# Altium PCB RFSOC_SAWG.PcbDoc (part 9 of 15)
Units mm, origin at the board's own origin, x right, y up, seen from the top; angles counter-clockwise.
Board outline 221.25 x 100 mm, 8 copper layers (Top Layer, Mid-Layer 2, Mid-Layer 3, Mid-Layer 4, Mid-Layer 5, Mid-Layer 6, Mid-Layer 7, Bottom Layer), stack 1.455 mm thick; 1107 components, 833 nets, 3980 pads, 2483 vias.
Unrouted connection lines stored in the file: 1.
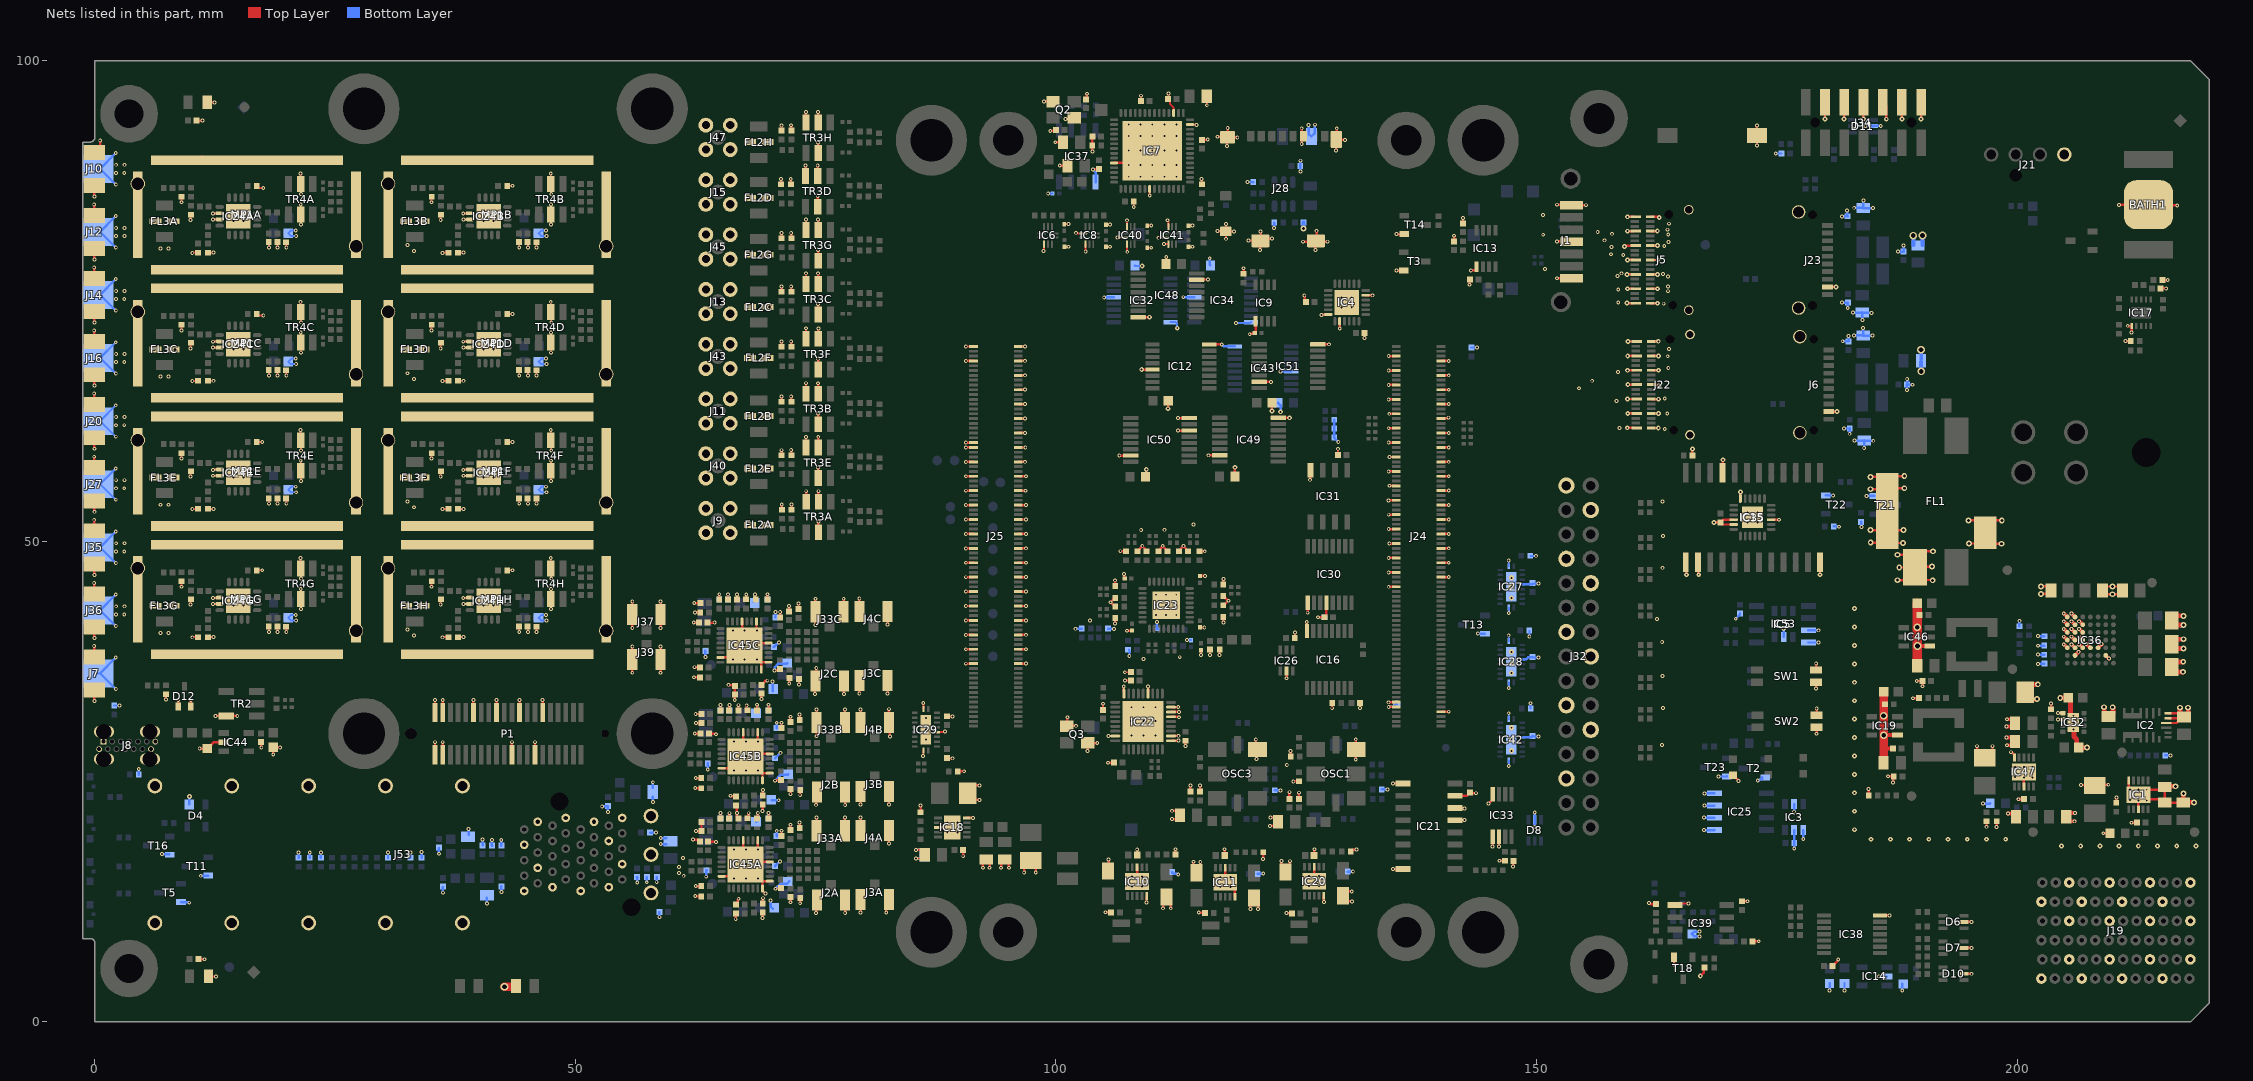
[diagram p15: the nets of this part, all layers, seen from the top]

## Via types
v1: diameter 0.4, hole 0.2, Top Layer to Bottom Layer, tented both sides, 1996 vias
v2: diameter 0.55, hole 0.2, Top Layer to Bottom Layer, 149 vias
v3: diameter 0.5, hole 0.2, Top Layer to Bottom Layer, tented both sides, 106 vias
v4: diameter 0.6, hole 0.3, Top Layer to Bottom Layer, tented both sides, 99 vias
v5: diameter 0.4, hole 0.15, Top Layer to Bottom Layer, tented both sides, 60 vias
v6: diameter 0.6, hole 0.3, Top Layer to Bottom Layer, 32 vias
v7: diameter 0.8, hole 0.5, Top Layer to Bottom Layer, tented both sides, 23 vias
v8: diameter 0.3/0.4/0.4/0.4/0.4/0.3 (per signal layer), hole 0.2, Top Layer to Bottom Layer, tented both sides, 12 vias
v9: diameter 0.4, hole 0.2, Top Layer to Bottom Layer, 5 vias
v10: diameter 0.5, hole 0.2, Top Layer to Bottom Layer, 1 vias

## Nets (pads, with @x,y where several pads share a name; then routed paths per layer and width w, separated by ;. In a path a pad name is that pad's centre, name@x,y a point inside that pad or via, vN(x,y) a via of type N, cw(c..) or ccw(c..) an arc to the next point about the centre after c; other vN are vias at no path point) (continued)
GND: (continued)
  Top Layer w0.254: v1(-0.062,39.115) -0.05,39.103 J7.2@-0.05,37.975 ; v1@-0.05,33.397 J7.2@-0.05,34.525 ; v1@-0.05,39.96 J36.2@-0.05,41.087 ; J36.2@-0.05,44.538 v1@-0.05,45.665 ; v1@-0.05,46.522 J35.2@-0.05,47.65 ; J35.2@-0.05,51.1 v1@-0.05,52.228 ; v1@-0.05,53.085 J27.2@-0.05,54.212 ; J27.2@-0.05,57.662 v1@-0.05,58.79 ; v1@-0.05,59.647 J20.2@-0.05,60.775 ; J20.2@-0.05,64.225 v1@-0.05,65.353 ; v1@-0.05,66.21 J16.2@-0.05,67.337 ; J16.2@-0.05,70.787 v1@-0.05,71.915 ; v1@-0.05,72.772 J14.2@-0.05,73.9 ; J14.2@-0.05,77.35 v1@-0.05,78.478 ; v1@-0.05,79.335 J12.2@-0.05,80.462 ; J12.2@-0.05,83.912 v1@-0.05,85.04 ; v1@-0.05,85.897 J10.2@-0.05,87.025 ; J10.2@0.575,90.55 v1@0.575,91.678 ; v1(7.394,33.54) 7.4,33.546 R232.2@7.4,34.1 ; D12.1@8.675,32.825 8.675,33.456 v1(8.684,33.464) ; D12.2@9.975,32.825 9.975,33.456 v1(9.984,33.464) ; C132.2@10.6,93.775 10.602,93.773 11.196,93.773 v1(11.198,93.771) ; C133.2@10.769,6.527 10.776,6.521 11.405,6.521 v1(11.411,6.514) ; v1(10.916,28.428) C93.1@11.691,28.428 ; MP1A.1@11.198,90.033 11.571,89.66 MP1A.1@15.828,89.66 ; C93.1@11.675,28.6 C93.1@11.7,28.625 ; R175.2@11.7,95.675 v1(12.45,95.675) ; C93.1@11.716,28.453 11.741,28.453 12.391,29.103 IC44.2@13.416,29.103 ; R176.2@11.85,4.725 v1(12.6,4.725) ; v1(12.564,31.821) 12.579,31.835 TR2.4@13.675,31.835 14.835,31.835 v1(14.83,31.84) ; C94.1@17.313,29.128 17.319,29.123 17.319,28.57 v1(17.324,28.565) ; v1(18.566,27.828) C103.1@18.566,28.578 18.591,28.553 v1(19.291,28.553) ; P1.39@35.4,27.8 v1(35.4,29.1) ; P1.40@35.4,32.2 v1(35.4,33.5) ; P1.37@36.2,27.8 v1(36.2,29.1) ; P1.38@36.2,32.2 v1(36.2,33.5) ; P1.30@39.4,32.2 v1(39.4,33.5) ; P1.24@41.8,32.2 v1(41.8,33.5) ; P1.19@43.4,27.8 v1(43.4,29.1) ; P1.18@44.2,32.2 v1(44.2,33.5) ; P1.13@45.8,27.8 v1(45.8,29.1) ; P1.12@46.6,32.2 v1(46.6,33.5) ; v1(55.925,36.325) J39.2@55.925,37.7 v1(55.925,39.075) ; v1(55.925,41) J37.2@55.925,42.375 v1(55.925,43.75) ; v1(58.875,36.325) J39.2@58.875,37.7 v1(58.875,39.075) ; v1(58.875,41) J37.2@58.875,42.375 v1(58.875,43.75) ; v1(62.244,18.982) 62.283,18.982 62.323,18.942 62.817,18.942 C26A.1@63,18.759 ; v1(62.318,41.57) 62.355,41.533 C26C.1@62.872,41.533 ; v1(62.346,35.855) 62.352,35.849 62.915,35.849 C174C.1@62.922,35.843 ; v1(62.375,43.575) 62.376,43.576 C172C.1@63.002,43.578 C172C.1@63.002,43.578 ; v1(62.396,36.905) 62.402,36.899 62.965,36.899 C19C.1@62.972,36.893 ; v1(62.425,29.991) 62.433,30 C26B.1@63,30 ; v1(62.458,42.606) 62.471,42.618 C20C.1@62.997,42.618 ; v1(62.475,13.081) 62.481,13.075 63.044,13.075 C174A.1@63.05,13.069 ; v1(62.475,24.322) 62.481,24.316 63.044,24.316 C174B.1@63.05,24.31 ; v1(62.523,32.026) 62.532,32.035 63.121,32.035 C172B.1@63.13,32.044 ; v1(62.525,14.131) 62.531,14.125 63.094,14.125 C19A.1@63.1,14.119 ; v1(62.525,25.372) 62.531,25.366 63.094,25.366 C19B.1@63.1,25.36 ; v1(62.536,19.848) 62.54,19.844 C20A.1@63.125,19.844 63.128,19.846 63.128,20.801 C172A.1@63.13,20.804 ; v1(62.542,31.096) 62.552,31.085 C20B.1@63.125,31.085 ; C29C.1@63.772,41.533 64.481,41.533 v1(64.499,41.551) ; C29A.1@63.9,18.759 64.553,18.759 64.587,18.725 v1(64.627,18.725) ; C29B.1@63.9,30 64.518,30 64.587,29.93 v1(64.627,29.93) ; C21C.1@64.972,43.933 64.976,43.937 64.976,44.492 v1(64.98,44.496) ; IC45C.31@65.097,37.918 IC45C.33@66.184,37.918 ; C21A.1@65.1,21.159 65.104,21.163 65.104,21.718 v1(65.108,21.722) ; C21B.1@65.1,32.4 65.104,32.404 65.104,32.958 v1(65.108,32.962) ; IC45A.31@65.225,15.144 IC45A.33@66.312,15.144 ; IC45B.31@65.225,26.385 66.312,26.385 v2(66.522,26.175) ; C24C.1@65.872,43.933 65.884,43.946 65.884,44.474 v1(65.897,44.486) ; v1(65.945,35.074) 65.973,35.046 66.519,35.046 C120C.1@66.597,34.968 C177C.1@66.597,34.044 ; C24A.1@66,21.159 66.013,21.172 66.013,21.699 v1(66.026,21.712) ; C24B.1@66,32.4 66.013,32.413 66.013,32.94 v1(66.026,32.953) ; v1(66.15,23.525) 66.178,23.497 66.663,23.497 C120B.1@66.725,23.435 ; v1(66.588,33.496) 66.592,33.501 66.592,34.109 C177C.1@66.588,34.113 ; C177B.1@66.649,22.534 66.797,22.385 66.797,21.778 v1(66.825,21.75) ; v1(66.685,10.685) 66.705,10.704 66.705,11.35 C177A.1@66.719,11.363 ; C120A.1@66.725,12.194 66.908,12.377 66.908,12.727 v1(66.996,12.816) ; v1@66.775,21.674 66.78,21.669 66.78,21.343 C23A.1@66.963,21.16 ; C23C.1@66.836,43.935 v1(66.836,44.479) ; C23B.1@66.963,32.401 66.963,32.947 v1(66.968,32.952) ; IC45C.33@67.347,39.418 IC45C.21@67.347,41.668 ; IC45A.33@67.475,16.644 IC45A.21@67.475,18.894 ; IC45B.21@67.475,30.135 67.475,27.885 IC45B.33@67.725,27.635 ; IC45C.33@67.597,39.168 67.847,39.418 IC45C.13@70.097,39.418 ; R15C.2@67.772,43.953 67.772,44.445 v1(67.782,44.456) ; v1(67.828,32.937) 67.856,32.909 67.856,32.464 R15B.2@67.9,32.42 ; R15A.2@67.9,21.179 68.008,21.288 68.008,21.686 v1(68.036,21.714) ; v1(68.688,44.48) 68.716,44.452 68.716,43.989 C128C.1@68.772,43.933 ; IC45C.33@68.847,40.755 IC45C.18@68.847,41.668 ; C128A.1@68.9,21.159 68.956,21.215 68.956,21.704 v1(68.984,21.732) ; C128B.1@68.9,32.4 68.904,32.404 68.904,32.989 v1(68.908,32.994) ; IC45A.33@68.975,17.981 IC45A.18@68.975,18.894 ; IC45B.18@68.975,30.135 68.975,29.222 v2(69.022,29.175) ; v2(69.022,16.434) 69.232,16.644 IC45A.13@70.225,16.644 ; IC45C.8@69.345,36.67 69.345,37.42 IC45C.9@70.095,37.42 ; v1(69.359,33.596) 69.365,33.602 69.365,34.165 C199C.1@69.372,34.171 ; C129C.1@69.372,35.068 69.776,35.472 69.947,35.472 v1(69.975,35.5) ; v1(69.463,21.956) 69.481,21.974 69.481,22.619 C199B.1@69.5,22.638 ; IC45A.8@69.473,13.896 69.473,14.646 IC45A.9@70.223,14.646 ; IC45A.8@69.475,13.894 69.475,13.631 69.716,13.39 69.756,13.39 v1(69.784,13.362) ; IC45B.8@69.475,25.135 69.473,25.137 IC45B.33@69.473,25.887 ; v1(69.488,10.821) 69.494,10.828 69.494,11.391 C199A.1@69.5,11.397 ; C129A.1@69.5,12.294 69.506,12.3 69.506,12.863 v1(69.512,12.869) ; C129B.1@69.5,23.535 69.506,23.541 69.506,24.104 v1(69.512,24.11) ; C131C.1@69.972,43.933 69.976,43.937 69.976,44.491 v1(69.98,44.495) ; C131A.1@70.1,21.159 70.104,21.163 70.104,21.717 v1(70.108,21.721) ; C131B.1@70.1,32.4 70.104,32.404 70.104,32.989 v1(70.108,32.994) ; IC45B.9@70.225,25.885 70.223,25.887 IC45B.33@69.473,25.887 ; IC45B.13@70.225,27.885 67.975,27.885 IC45B.33@67.725,27.635 ; v1(70.713,36.552) 70.741,36.58 71.159,36.58 C127C.1@71.272,36.693 ; v1(70.785,25.094) 70.813,25.122 71.362,25.122 C127B.1@71.4,25.16 ; v1(70.828,13.851) 70.856,13.879 71.36,13.879 C127A.1@71.4,13.919 ; C56C.1@71.322,42.093 v1@71.322,42.653 ; v1(71.399,87.708) 71.41,87.696 71.41,87.175 R96D.2@71.416,87.17 R96D.2@71.422,87.164 ; v1(71.437,93.285) 71.448,93.273 71.448,92.752 R96H.2@71.454,92.747 R96H.2@71.46,92.741 ; v1(71.448,59.484) 71.459,59.473 71.459,58.952 R96E.2@71.465,58.946 R96E.2@71.471,58.94 ; v1(71.448,65.072) 71.459,65.061 71.459,64.54 R96B.2@71.465,64.534 R96B.2@71.471,64.528 ; v1(71.448,70.787) 71.459,70.776 71.459,70.255 R96F.2@71.465,70.249 R96F.2@71.471,70.243 ; v1(71.448,76.502) 71.459,76.491 71.459,75.97 R96C.2@71.465,75.964 R96C.2@71.471,75.958 ; v1(71.448,82.09) 71.459,82.079 71.459,81.558 R96G.2@71.465,81.552 R96G.2@71.471,81.546 ; C56A.1@71.45,19.319 v1@71.45,19.878 ; C56B.1@71.45,30.56 v1@71.45,31.119 ; v1(71.474,53.834) 71.485,53.823 71.485,53.302 R96A.2@71.496,53.291 ; C175C.1@72.247,42.718 v1@72.247,43.278 ; v1(72.257,35.222) 72.262,35.227 C122C.1@72.262,35.772 ; C175A.1@72.375,19.944 v1@72.375,20.503 ; C175B.1@72.375,31.185 v1@72.375,31.744 ; v1(72.385,12.448) 72.391,12.453 C122A.1@72.391,12.998 ; v1(72.385,23.689) 72.391,23.694 C122B.1@72.391,24.239 ; v1(72.409,87.713) 72.421,87.702 72.421,87.181 R11D.2@72.432,87.17 ; v1(72.447,93.29) 72.459,93.279 72.459,92.758 R11H.2@72.47,92.747 ; v1(72.458,59.49) 72.47,59.478 72.47,58.957 R11E.2@72.481,58.946 ; v1(72.458,65.078) 72.47,65.066 72.47,64.545 R11B.2@72.481,64.534 ; v1(72.458,70.793) 72.47,70.781 72.47,70.26 R11F.2@72.481,70.249 ; v1(72.458,76.508) 72.47,76.496 72.47,75.975 R11C.2@72.481,75.964 ; v1(72.458,82.096) 72.47,82.084 72.47,81.563 R11G.2@72.481,81.552 ; v1(72.484,53.84) 72.495,53.829 72.495,53.308 R11A.2@72.507,53.296 ; v1(73.21,43.515) 73.216,43.509 73.216,42.949 C176C.1@73.222,42.943 ; v1(73.266,35.118) 73.272,35.123 C121C.1@73.272,35.668 ; v1(73.338,20.741) 73.344,20.734 73.344,20.175 C176A.1@73.35,20.169 ; v1(73.338,31.981) 73.344,31.975 73.344,31.416 C176B.1@73.35,31.41 ; v1(73.395,12.344) 73.4,12.349 C121A.1@73.4,12.894 ; v1(73.395,23.585) 73.4,23.59 C121B.1@73.4,24.135 ; v1(73.944,89.091) 73.95,89.085 73.95,88.004 TR3D.1@73.956,87.998 ; v1(73.982,94.668) 73.988,94.662 73.988,93.58 TR3H.1@73.994,93.575 ; v1(73.993,60.868) 73.999,60.862 73.999,59.78 TR3E.1@74.005,59.774 ; v1(73.993,66.456) 73.999,66.45 73.999,65.368 TR3B.1@74.005,65.362 ; v1(73.993,72.171) 73.999,72.165 73.999,71.083 TR3F.1@74.005,71.077 ; v1(73.993,77.886) 73.999,77.88 73.999,76.798 TR3C.1@74.005,76.792 ; v1(73.993,83.474) 73.999,83.468 73.999,82.386 TR3G.1@74.005,82.38 ; v1(74.019,55.218) 74.025,55.212 74.025,54.13 TR3A.1@74.031,54.124 ; v1(74.922,34.118) 74.922,35.393 J2C.2@74.997,35.468 75.072,35.543 v1(75.072,36.82) ; v1(74.972,41.293) J33C.2@74.972,42.668 ; J33C.2@74.972,42.668 v1(74.972,44.024) ; v1(75.05,11.344) 75.05,12.619 J2A.2@75.125,12.694 ; v1(75.05,22.585) 75.05,23.86 J2B.2@75.125,23.935 ; J33A.2@75.1,19.894 v1(75.1,21.25) ; v1(75.1,32.491) J33B.2@75.1,31.135 75.102,31.132 v1(75.102,29.723) ; v1(75.214,85.911) 75.22,85.905 75.22,84.823 TR3D.5@75.226,84.818 ; v1(75.214,89.091) 75.22,89.085 75.22,88.004 TR3D.2@75.226,87.998 ; v1(75.25,66.45) 75.263,66.437 75.263,65.375 TR3B.2@75.275,65.362 ; v1(75.252,91.488) 75.258,91.482 75.258,90.4 TR3H.5@75.264,90.395 ; v1(75.252,94.668) 75.258,94.662 75.258,93.58 TR3H.2@75.264,93.575 ; v1(75.263,57.688) 75.269,57.682 75.269,56.6 TR3E.5@75.275,56.594 ; v1(75.263,63.276) 75.269,63.27 75.269,62.188 TR3B.5@75.275,62.182 ; v1(75.263,68.991) 75.269,68.985 75.269,67.903 TR3F.5@75.275,67.897 ; v1(75.263,74.706) 75.269,74.7 75.269,73.618 TR3C.5@75.275,73.612 ; v1(75.263,77.886) 75.269,77.88 75.269,76.798 TR3C.2@75.275,76.792 ; v1(75.263,80.294) 75.269,80.288 75.269,79.206 TR3G.5@75.275,79.2 ; v1(75.263,83.474) 75.269,83.468 75.269,82.386 TR3G.2@75.275,82.38 ; TR3E.2@75.275,59.774 v1(75.275,60.875) ; TR3F.2@75.275,71.077 75.288,71.089 75.288,72.138 v1(75.3,72.15) ; v1(75.289,52.038) 75.295,52.032 75.295,50.95 TR3A.5@75.301,50.944 ; v1(75.289,55.218) 75.295,55.212 75.295,54.13 TR3A.2@75.301,54.124 ; J33C.2@77.922,42.668 v1(77.922,44.024) ; v1(77.947,34.112) J2C.2@77.947,35.468 ; J33A.2@78.05,19.894 v1(78.05,21.25) ; J33B.2@78.05,31.135 v1(78.05,32.491) ; v1(78.075,11.338) J2A.2@78.075,12.694 ; v1(78.075,22.578) J2B.2@78.075,23.935 ; v1(79.547,34.162) J3C.2@79.547,35.518 ; J4C.2@79.547,42.693 v1(79.547,44.049) ; v1(79.675,11.388) J3A.2@79.675,12.744 ; J4A.2@79.675,19.919 v1(79.675,21.275) ; v1(79.675,22.629) J3B.2@79.675,23.985 ; J4B.2@79.675,31.16 v1(79.675,32.516) ; v1(82.35,11.375) 82.35,12.469 J3A.2@82.625,12.744 ; v1(82.497,34.162) J3C.2@82.497,35.518 ; v1(82.497,41.337) J4C.2@82.497,42.693 ; v1(82.625,18.563) J4A.2@82.625,19.919 ; v1(82.625,22.629) J3B.2@82.625,23.985 ; v1(82.625,32.535) J4B.2@82.625,31.16 82.729,31.056 v1(82.729,29.701) ; v1@85.444,17 C150.2@86.1,17 ; v1@85.444,17.9 C150.2@86.1,17.9 ; R132.1@85.925,21.85 v1@85.925,22.506 ; R1.1@89.8,26.075 v1@90.456,26.075 ; v1@90.35,17.244 C147.1@90.35,17.9 ; v1(90.625,37.27) 90.626,37.271 91.414,37.271 J25.28@91.415,37.272 ; v1(90.625,38.77) 90.626,38.771 91.414,38.771 J25.34@91.415,38.772 ; v1(90.625,40.27) 90.626,40.271 91.414,40.271 J25.40@91.415,40.272 ; v1(90.625,41.77) 90.626,41.771 91.414,41.771 J25.46@91.415,41.772 ; v1(90.625,43.27) 90.626,43.271 91.414,43.271 J25.52@91.415,43.272 ; v1(90.625,44.77) 90.626,44.771 91.414,44.771 J25.58@91.415,44.772 ; v1(90.625,46.27) 90.626,46.271 91.414,46.271 J25.64@91.415,46.272 ; v1(90.625,47.77) 90.626,47.771 91.414,47.771 J25.70@91.415,47.772 ; v1(90.625,49.27) 90.626,49.271 91.414,49.271 J25.76@91.415,49.272 ; v1(90.625,50.77) 90.626,50.771 91.414,50.771 J25.82@91.415,50.772 ; v1(90.625,52.27) 90.626,52.271 91.414,52.271 J25.88@91.415,52.272 ; v1(90.625,53.77) 90.626,53.771 91.414,53.771 J25.94@91.415,53.772 ; v1(90.625,55.27) 90.626,55.271 91.414,55.271 J25.100@91.415,55.272 ; v1(90.625,56.77) 90.626,56.771 91.414,56.771 J25.106@91.415,56.772 ; v1(90.625,58.27) 90.626,58.271 91.414,58.271 J25.112@91.415,58.272 ; v1(90.625,59.77) 90.626,59.771 91.414,59.771 J25.118@91.415,59.772 ; v1(90.625,60.27) 90.626,60.271 91.414,60.271 J25.120@91.415,60.272 ; v1(90.625,68.77) 90.626,68.771 91.414,68.771 J25.154@91.415,68.772 ; v1(90.625,70.27) 90.626,70.271 91.414,70.271 J25.160@91.415,70.272 ; IC18.5@90.725,21.225 v1@91.381,21.225 ; C2.2@91.4,23.1 v1@92.056,23.1 ; C2.2@91.4,24.6 v1@92.056,24.6 ; v1@92.4,16.044 C1.2@92.4,16.7 ; v1@93.1,16.044 C1.2@93.1,16.7 ; v1@94.3,16.044 C148.2@94.3,16.7 ; v1@95.1,16.044 C148.2@95.1,16.7 ; J25.27@96.085,37.272 96.086,37.274 96.874,37.274 v1(96.875,37.275) ; J25.33@96.085,38.772 96.086,38.774 96.874,38.774 v1(96.875,38.775) ; J25.39@96.085,40.272 96.086,40.274 v1(96.875,40.275) v1(96.875,40.275) ; J25.45@96.085,41.772 96.086,41.774 96.874,41.774 v1(96.875,41.775) ; J25.51@96.085,43.272 96.086,43.274 v1(96.875,43.275) v1(96.875,43.275) ; J25.57@96.085,44.772 96.086,44.774 96.874,44.774 v1(96.875,44.775) ; J25.63@96.085,46.272 96.086,46.274 v1(96.875,46.275) v1(96.875,46.275) ; J25.69@96.085,47.772 96.086,47.774 96.874,47.774 v1(96.875,47.775) ; J25.75@96.085,49.272 96.086,49.274 v1(96.875,49.275) v1(96.875,49.275) ; J25.81@96.085,50.772 96.086,50.774 96.874,50.774 v1(96.875,50.775) ; J25.87@96.085,52.272 96.086,52.274 96.874,52.274 v1(96.875,52.275) ; J25.93@96.085,53.772 96.086,53.774 v1(96.875,53.775) v1(96.875,53.775) ; J25.99@96.085,55.272 96.09,55.267 96.816,55.267 v1(96.821,55.262) ; J25.105@96.085,56.772 96.086,56.774 v1(96.875,56.775) v1(96.875,56.775) ; J25.111@96.085,58.272 96.086,58.274 96.774,58.274 v1(96.775,58.275) ; J25.117@96.085,59.772 96.092,59.765 96.81,59.765 v1(96.817,59.758) ; J25.123@96.085,61.272 96.089,61.276 96.777,61.276 v1(96.781,61.28) ; J25.141@96.085,65.772 96.091,65.778 96.784,65.778 v1(96.79,65.784) ; J25.147@96.085,67.272 96.086,67.274 v1(96.781,67.275) v1(96.781,67.275) ; J25.153@96.085,68.772 96.091,68.778 96.784,68.778 v1(96.79,68.784) ; J25.129@96.086,62.773 v1@96.799,62.773 ; J25.135@96.085,64.272 v1@96.799,64.273 ; J25.159@96.085,70.272 v1@96.799,70.273 ; v1@96.7,15.544 C151.2@96.7,16.2 ; v1@97.9,15.544 C151.2@97.9,16.2 ; v1(98.75,95.775) 99.725,95.775 Q2.2@99.75,95.75 ; v1(99.411,92.709) 99.415,92.704 99.971,92.704 C208.1@99.975,92.7 ; v1(99.93,91.52) C108.1@100.73,91.52 ; v1(100.4,89.1) C110.1@101.2,89.1 ; v1(100.982,93.956) 101.856,93.956 Q2.4@101.95,94.05 ; Q3.4@101.122,30.76 Q3.4@101.167,30.805 ; v1(101.2,31.7) 101.2,30.838 Q3.4@101.167,30.805 ; v1(102.099,30.805) Q3.4@101.167,30.805 ; C207.1@103.219,96.177 v1(103.219,96.569) ; v1(103.3,28.2) 103.3,29.038 Q3.2@103.322,29.06 103.382,29 v1(104.3,29) ; v1(103.8,90.554) 103.805,90.559 103.805,92.095 C109.1@103.81,92.1 ; v1(103.875,88.675) 103.903,88.703 104.453,88.703 C111.1@104.5,88.75 ; C25.1@104.9,32.45 v1(104.9,33.1) ; v1(105.15,11.407) 105.157,11.4 C278.1@105.75,11.4 ; v1(105.414,26.966) 105.431,26.983 106.033,26.983 C228.1@106.05,27 ; v1@105.463,29.747 IC22.8@106.022,29.747 ; v1(105.477,16.884) 105.477,16.473 105.675,16.275 C213.2@105.8,16.275 ; v1@105.685,43.662 R7.2@105.982,43.959 ; v1@105.722,43.634 R6.2@105.971,43.385 ; IC7.10@106.055,89.37 108.755,89.37 IC7.57@110.005,90.62 ; v1(106.134,45.943) 106.157,45.92 106.157,45.373 R8.2@106.18,45.35 ; v1(106.16,41.449) 106.17,41.459 106.17,41.99 R80.2@106.18,42 ; v1(106.598,58.927) IC50.15@107.775,58.927 ; v1(106.7,48.975) 106.702,48.973 107.297,48.973 R16.2@107.3,48.97 ; IC22.36@107.065,34.346 v1@107.065,34.905 ; v1(107.1,46.6) 107.125,46.575 107.125,46.15 C191.1@107.15,46.125 ; v1(107.4,40.7) 107.413,40.713 107.912,40.713 C239.1@107.925,40.725 ; IC10.11@108.45,14.6 IC10.8@108.45,16.1 ; C279.1@108.46,17.275 v1@108.46,17.931 ; R47.2@108.476,48.994 v1@108.962,49.48 ; IC48.8@108.55,73.325 v3(109.727,73.325) ; C113.1@108.85,95.8 108.854,95.804 108.854,96.365 v1(108.858,96.369) ; v3(108.923,67.875) IC12.13@110.05,67.875 ; v1@108.99,49.517 109.45,49.057 R82.2@109.45,48.97 ; C118.1@109.325,56.7 109.411,56.786 v3(109.411,57.485) ; IC22.31@109.587,34.341 v1@109.587,34.901 ; R48.2@110.66,48.97 110.68,48.97 110.843,49.133 110.843,49.213 111.092,49.462 111.092,49.507 v1(111.12,49.535) 111.12,49.499 111.417,49.202 111.417,49.133 111.58,48.97 R21.2@111.6,48.97 ; v1(111.153,11.817) 111.153,12.628 C286.2@111.525,13 111.95,12.575 v1(111.95,11.817) v1@111.95,11.8 ; C97.1@111.472,78.653 111.485,78.666 v1(111.485,79.582) ; v3(111.675,63.8) 111.675,64.602 C96.1@111.687,64.613 ; IC22.24@111.975,31.75 111.984,31.741 112.719,31.741 112.76,31.7 v1(112.8,31.7) ; IC22.25@111.975,32.25 111.978,32.247 112.822,32.247 v1(112.825,32.245) ; v1(112.07,21.96) 112.077,21.968 112.64,21.968 C289.1@112.668,21.996 ; v1(112.071,21.104) 112.504,21.104 C289.1@112.9,21.5 ; IC22.19@112.157,29.229 112.185,29.257 112.748,29.257 v1(112.755,29.265) ; IC22.20@112.157,29.729 112.185,29.757 112.748,29.757 v1(112.755,29.765) ; IC22.26@112.162,32.747 v1@112.722,32.747 ; v1(112.434,17.959) 112.439,17.953 112.439,17.406 R72.2@112.445,17.4 ; v1(112.698,61.527) IC50.6@113.875,61.527 ; v1(112.698,62.827) IC50.8@113.875,62.827 ; R85.2@112.8,48.97 112.8,49.048 v1@113.232,49.48 ; v1@113.26,49.517 113.725,49.052 R24.2@113.725,48.97 ; R81.1@113.454,29.29 113.482,29.261 113.482,28.699 v1(113.489,28.691) ; C290.1@114,23.95 v1(114,24.6) ; C202.2@114.303,16.103 v1(114.303,16.66) ; v1(114.866,11.391) 114.886,11.37 115.505,11.37 C203.1@115.525,11.35 ; C202.2@114.9,16.1 115.027,16.227 v1(115.027,16.65) ; R87.2@114.937,48.97 114.942,48.965 115.485,48.965 v1(115.49,48.96) ; C291.1@115,23.95 v1(115,24.6) ; C241.1@115,41.05 115.015,41.035 115.428,41.035 v1(115.443,41.02) ; C234.1@115,46.4 v1(115.5,46.4) ; v1(115.164,87.701) v1@115.182,87.683 ; R115.1@115.182,87.163 R115.1@115.2,87.145 ; C116.1@115.2,91.75 115.225,91.775 115.775,91.775 v1(115.8,91.8) ; v1(115.873,58.95) IC49.15@117.05,58.95 ; IC12.8@115.95,70.475 115.964,70.489 117.241,70.489 v1(117.26,70.471) ; v1(116.812,92.098) 117.806,92.098 J28.G1@117.859,92.044 ; v1(116.823,82.279) J28.10@117.7,82.279 ; R31.2@117.42,42.15 117.426,42.144 117.426,41.545 v1(117.431,41.539) ; R4.2@117.42,45.5 117.426,45.506 117.426,46.069 v1(117.431,46.075) ; C204.1@117.56,17.3 v1@117.56,17.956 ; IC11.8@117.625,16.025 IC11.11@117.625,14.525 117.877,14.525 118.625,13.777 IC11.5@118.625,13.025 ; R30.2@117.631,43.522 v1@117.928,43.819 ; R29.2@117.642,44.096 v1@117.891,43.847 ; v1(117.7,81.475) 117.7,82.259 J28.10@117.7,82.279 ; v1(117.7,83) J28.10@117.7,82.279 ; v1(117.8,91.15) 117.8,91.985 J28.G1@117.859,92.044 ; v1(117.875,93) 117.875,92.06 J28.G1@117.859,92.044 ; v1(118.546,82.235) 117.767,82.235 117.723,82.279 J28.10@117.7,82.279 ; C58.1@118.625,56.75 v3(118.625,57.7) ; v1(118.875,92.025) 117.879,92.025 J28.G1@117.859,92.044 ; R120.1@119.524,77.846 v1(119.524,78.411) ; v1(120.025,81.3) 121.254,81.3 J28.G4@121.284,81.269 ; v1(120.163,71.55) 120.202,71.55 120.252,71.6 120.598,71.6 120.671,71.673 C218.1@120.696,71.673 ; v1(120.241,11.747) 120.241,12.516 C210.2@120.625,12.9 121.044,12.481 v1(121.044,11.762) ; C218.1@120.702,71.673 120.775,71.746 IC9.1@120.775,72.9 ; v1(120.8,29.375) 120.8,28.534 OSC3.3@120.985,28.349 121,28.334 120.875,28.209 v1(120.875,27.35) ; IC51.15@121.15,66.6 121.163,66.588 122.362,66.588 v1(122.375,66.575) ; v1(121.25,80.3) 121.25,81.235 J28.G4@121.284,81.269 ; v1(121.3,82.225) J28.G4@121.3,81.285 ; v1(121.564,16.959) 121.564,17.023 121.57,17.029 R67.2@121.57,17.65 ; v1(122.295,20.385) 122.302,20.393 122.865,20.393 C288.1@122.893,20.421 ; v1(122.32,21.26) 122.327,21.268 122.89,21.268 C288.1@122.918,21.296 ; v3(122.475,63.55) 122.475,64.375 C95.1@122.5,64.4 ; v1(122.5,81.5) 121.515,81.5 J28.G4@121.3,81.285 ; IC49.8@123.15,62.85 v3(124.3,62.85) ; v1(123.457,16.727) 123.457,16.373 123.53,16.3 C9.2@123.7,16.3 ; v1(124,35.75) IC26.2@124,36.5 ; v1(124.007,11.323) 124.018,11.312 124.586,11.312 C12.1@124.599,11.299 ; C9.2@124.3,16.3 124.343,16.343 v1(124.343,16.721) ; C287.1@124.3,23.2 v1(124.3,23.9) ; v1(124.412,28.19) 124.421,28.181 124.421,27.609 R40.1@124.43,27.6 ; v1(124.7,25) 124.715,25.015 125.285,25.015 R39.1@125.3,25.03 ; v1(125.279,23.846) 125.289,23.836 125.289,23.211 C237.1@125.3,23.2 ; v1(125.575,91.35) 125.603,91.378 125.603,92.003 J28.6@125.769,92.169 125.603,92.336 125.603,92.947 v1(125.575,92.975) ; v1(125.717,81.175) 126.96,81.175 J28.G3@127,81.215 ; v1(125.846,75.583) 125.874,75.555 125.874,75.051 C102.2@126,74.925 ; v1(126.1,41.6) 126.112,41.588 126.112,40.663 IC16.8@126.125,40.65 ; v1(126.2,42.575) IC30.9@126.2,43.6 ; v1(126.45,56.4) 126.473,56.422 126.473,57.378 IC31.4@126.495,57.4 ; IC20.11@126.875,14.625 IC20.8@126.875,16.125 ; C200.1@126.9,17.3 v1@126.9,17.956 ; v1(127,80.325) J28.G3@127,81.215 ; J28.G3@127.123,81.342 v1(127.123,82.308) ; IC51.8@127.25,70.5 v1(128.425,70.5) ; v1(127.281,42.102) v1(127.281,42.102) C221.1@127.95,42.1 C221.1@127.95,42.1 128.15,42.3 IC30.12@128.15,43.6 ; v1(127.623,73.546) 127.662,73.546 127.708,73.591 128.316,73.591 IC4.24@128.325,73.6 ; IC20.5@127.875,13.125 127.878,13.122 127.878,12.466 v1(127.881,12.463) ; v1(128.259,81.175) 127.149,81.175 J28.G3@127.054,81.269 J28.G3@127,81.215 ; v1(128.749,32.639) 128.755,32.644 128.755,33.195 R244.1@128.76,33.2 ; v1(129.15,90.675) 129.15,91.736 J28.G2@129.206,91.793 ; v1(129.225,92.975) 129.225,91.811 J28.G2@129.206,91.793 ; C226.1@129.35,59 v1(129.35,59.625) ; IC4.2@129.525,72.9 129.531,72.894 129.531,72.158 v1(129.538,72.151) ; v1(130.075,91.775) 129.224,91.775 J28.G2@129.206,91.793 ; C209.2@130.125,13.574 v1@130.781,13.574 ; C209.2@130.166,12.533 v1@130.822,12.533 ; R66.1@130.695,17.75 130.836,17.891 131.244,17.891 v1(131.272,17.918) ; v1(131.2,27.3) 131.2,28.299 OSC1.3@131.25,28.349 131.2,28.399 v1(131.2,29.4) ; v1(131.644,32.656) 131.647,32.659 131.647,33.197 C180.1@131.65,33.2 ; v1(132.1,71.15) 132.112,71.162 132.112,71.687 C101.2@132.125,71.7 ; IC4.11@132.225,75.6 132.226,75.599 v1(132.959,75.598) v1(132.959,75.598) ; v1(134.598,54.265) 134.601,54.269 135.411,54.269 J24.96@135.415,54.272 ; v1(134.6,33.25) 134.611,33.261 135.404,33.261 J24.12@135.415,33.272 ; v1(134.625,32.77) 134.626,32.771 J24.10@135.415,32.772 J24.10@135.415,32.772 ; v1(134.625,45.27) 134.626,45.271 135.414,45.271 J24.60@135.415,45.272 ; v1(134.625,46.77) 134.626,46.771 J24.66@135.415,46.772 J24.66@135.415,46.772 ; v1(134.625,48.27) 134.626,48.271 135.414,48.271 J24.72@135.415,48.272 ; v1(134.625,51.27) 134.626,51.271 135.414,51.271 J24.84@135.415,51.272 ; v1(134.625,52.77) 134.626,52.771 J24.90@135.415,52.772 J24.90@135.415,52.772 ; v1(134.625,57.27) 134.626,57.271 135.414,57.271 J24.108@135.415,57.272 ; v1(134.625,60.27) 134.626,60.271 J24.120@135.415,60.272 J24.120@135.415,60.272 ; v1(134.625,61.77) 134.626,61.771 135.414,61.771 J24.126@135.415,61.772 ; v1(134.625,64.77) 134.626,64.771 135.414,64.771 J24.138@135.415,64.772 ; v1(134.625,66.27) 134.626,66.271 J24.144@135.415,66.272 J24.144@135.415,66.272 ; v1(134.625,67.77) 134.626,67.771 135.414,67.771 J24.150@135.415,67.772 ; v1(134.625,69.27) 134.626,69.271 J24.156@135.415,69.272 J24.156@135.415,69.272 ; v1(134.688,63.268) 134.69,63.27 135.413,63.27 J24.132@135.415,63.272 ; v1(134.691,49.77) 134.692,49.771 J24.78@135.415,49.772 J24.78@135.415,49.772 ; v1(134.719,55.781) 134.723,55.777 135.411,55.777 J24.102@135.415,55.772 ; v1(134.725,58.775) 134.726,58.774 J24.114@135.415,58.772 J24.114@135.415,58.772 ; v1(135.082,15.903) 135.086,15.9 135.7,15.9 IC21.8@135.703,15.897 ; v1(135.082,24.803) 135.086,24.8 135.7,24.8 IC21.1@135.703,24.797 ; v1(135.425,78.175) 135.427,78.173 136.173,78.173 T3.2@136.175,78.17 ; v1(135.439,81.965) 135.442,81.968 136.223,81.968 T14.2@136.225,81.97 ; J24.7@140.085,32.272 140.086,32.274 140.874,32.274 v1(140.875,32.275) ; J24.63@140.085,46.272 140.086,46.274 140.874,46.274 v1(140.875,46.275) ; J24.69@140.085,47.772 J24.69@140.085,47.772 140.874,47.774 v1(140.875,47.775) ; J24.75@140.085,49.272 140.086,49.274 140.874,49.274 v1(140.875,49.275) ; J24.81@140.085,50.772 J24.81@140.085,50.772 140.874,50.774 v1(140.875,50.775) ; J24.87@140.085,52.272 140.086,52.274 140.874,52.274 v1(140.875,52.275) ; J24.93@140.085,53.772 140.086,53.774 140.874,53.774 v1(140.875,53.775) ; J24.99@140.085,55.272 J24.99@140.085,55.272 140.874,55.274 v1(140.875,55.275) ; J24.105@140.085,56.772 140.086,56.774 140.874,56.774 v1(140.875,56.775) ; J24.111@140.085,58.272 J24.111@140.085,58.272 140.874,58.274 v1(140.875,58.275) ; J24.117@140.085,59.772 140.086,59.774 140.874,59.774 v1(140.875,59.775) ; J24.123@140.085,61.272 J24.123@140.085,61.272 140.874,61.274 v1(140.875,61.275) ; J24.129@140.085,62.772 140.108,62.795 140.74,62.795 140.81,62.866 v1(140.849,62.866) ; J24.135@140.085,64.272 J24.135@140.085,64.272 140.874,64.274 v1(140.875,64.275) ; J24.141@140.085,65.772 140.086,65.774 140.874,65.774 v1(140.875,65.775) ; J24.147@140.085,67.272 140.086,67.274 140.874,67.274 v1(140.875,67.275) ; J24.153@140.085,68.772 J24.153@140.085,68.772 140.874,68.774 v1(140.875,68.775) ; C192.1@141.425,81.2 141.427,81.202 141.427,81.791 v1(141.429,81.793) ; IC21.15@141.525,23.525 142.775,23.525 C159.1@143.1,23.85 ; IC21.14@141.885,22.221 141.889,22.218 142.503,22.218 v1(142.506,22.215) ; IC21.13@141.91,20.997 141.914,20.994 142.528,20.994 v1(142.531,20.99) ; C186.1@142.35,83.092 142.358,83.1 142.358,83.648 v1(142.365,83.656) ; v1(143.05,76.7) 143.063,76.712 143.063,77.237 C193.1@143.075,77.25 ; C159.1@143.097,23.803 143.1,23.8 143.714,23.8 v1(143.718,23.797) ; v1(143.17,78.196) 143.702,78.196 143.775,78.269 IC13.1@143.775,78.575 ; v1(145.015,22.715) 145.45,23.15 IC33.4@145.45,23.675 ; v1(145.444,18.258) 145.45,18.264 IC33.5@145.45,19.275 ; v1@146.1,18.264 IC33.6@146.1,19.275 ; v1(146.145,16.767) 146.151,16.761 146.719,16.761 R194.1@146.725,16.755 ; v1(147.555,16.18) 147.6,16.225 C245.1@147.6,16.75 ; v1(152.125,85.025) 153.6,85.025 J1.7@153.65,84.975 v1(155.15,84.975) ; v1(152.15,77.375) 153.63,77.375 J1.1@153.65,77.355 ; v1(152.15,81.2) 153.615,81.2 J1.4@153.65,81.165 ; v3(159.15,80.675) 159.217,80.675 159.317,80.775 160.122,80.775 J5.A13@160.129,80.768 ; v3(159.415,74.785) J5.A1@160.094,74.785 ; v3(159.428,77.779) J5.A7@160.106,77.779 ; v3(159.451,61.813) J22.A1@160.13,61.813 ; v3(159.459,82.269) J5.A16@160.138,82.269 ; v3(159.464,64.806) J22.A7@160.143,64.806 ; v3(159.466,76.282) J5.A4@160.144,76.282 ; v3(159.472,79.275) J5.A10@160.151,79.275 ; v3(159.478,83.765) J5.A19@160.157,83.765 ; v3(159.489,67.793) J22.A13@160.168,67.793 ; v3(159.495,69.296) J22.A16@160.174,69.296 ; v3(159.502,63.309) J22.A4@160.181,63.309 ; v3(159.508,66.303) J22.A10@160.187,66.303 ; v3(159.514,70.793) J22.A19@160.193,70.793 ; v1(161.723,12.365) 161.85,12.3 ccw(c161.971,12.421) 161.971,12.25 C76.1@162.45,12.25 C76.1@162.547,12.153 ; J5.B16@161.895,82.275 v3(162.574,82.275) ; J5.B19@161.895,83.791 161.934,83.752 162.655,83.752 162.714,83.693 v3(162.78,83.693) ; J5.B13@161.901,80.766 v3(162.58,80.766) ; J5.B7@161.907,77.779 v3(162.586,77.779) ; J5.B1@161.914,74.772 v3(162.593,74.772) ; J5.B4@161.914,76.282 v3(162.593,76.282) ; J22.B16@161.931,69.303 161.94,69.294 162.679,69.294 v3(162.685,69.287) ; J5.B10@161.933,79.269 v3(162.612,79.269) ; J22.B19@161.939,70.81 161.944,70.805 162.673,70.805 v3(162.678,70.81) ; J22.B7@161.944,64.806 161.955,64.795 162.689,64.795 v3(162.694,64.789) ; J22.B13@161.946,67.8 v3(162.692,67.801) ; J22.B1@161.95,61.8 161.958,61.792 162.671,61.792 v3(162.679,61.784) ; J22.B4@161.957,63.302 161.958,63.301 162.703,63.301 v3(162.704,63.302) ; J22.B10@161.969,66.296 161.988,66.277 162.59,66.277 162.67,66.198 v3(162.736,66.198) ; v1(164.324,5.965) T18.2@164.325,6.725 ; IC39.1@164.4,12.155 164.56,12.315 v1(165.835,12.315) ; v3(165.6,46.521) IC35.1@165.6,47.2 ; C197.1@166.225,58.925 v3(166.225,59.604) ; IC35.2@166.8,47.2 166.853,47.147 166.853,46.563 v3(166.891,46.525) ; v3(167.052,4.772) 167.413,5.133 167.413,5.593 R275.1@167.475,5.655 ; v3(168.471,51.975) C196.1@169.15,51.975 ; IC35.21@169.4,57.8 v3(169.4,58.479) ; LD3.1@170.45,25.675 171.025,25.1 v1(171.025,25.075) ; IC15.23@170.525,51.75 169.375,51.75 C196.1@169.15,51.975 ; IC15.22@170.525,52.25 169.425,52.25 C196.1@169.15,51.975 ; IC15.18@171.225,54.45 v3(171.225,55.129) ; C59.1@171.375,12.55 v1(171.95,12.55) ; C155.1@172.5,8.375 172.509,8.384 173.124,8.384 v1(173.133,8.392) ; v1(172.941,93.267) 172.941,92.234 PB1.1@172.95,92.225 v1(172.95,91.2) ; IC15.9@174.425,52.25 174.429,52.246 175.23,52.246 v1(175.234,52.242) ; v1(179.093,34.678) 179.1,34.685 SW1.1@179.1,35.349 ; SW1.2@179.1,36.619 179.1,37.283 v1(179.107,37.291) ; v1(179.143,29.978) 179.15,29.985 SW2.1@179.15,30.649 ; SW2.2@179.15,31.919 179.15,32.583 v1(179.157,32.591) ; v3(179.5,46.521) IC35.12@179.5,47.2 ; v3(180.025,93.948) J34.11@180.025,95.7 ; J23.2@180.491,76.472 v3(181.169,76.472) ; J6.2@180.6,63.5 v3(181.279,63.5) ; C88.1@180.822,5.828 181.372,6.378 181.372,6.472 v1(181.4,6.5) ; v3(182.009,93.955) 182.009,95.684 J34.9@182.025,95.7 ; v3(184.025,93.948) J34.7@184.025,95.7 ; v1(184.552,24.233) v1(184.552,24.233) 184.554,23.551 R12.1@184.555,23.55 ; v4@184.675,55.425 185.55,55.425 FL1.4@185.575,55.45 ; v4@184.725,49.875 185.45,49.875 FL1.4@185.475,49.85 ; v4(184.75,56.7) 185.55,56.7 FL1.4@185.6,56.75 ; v4@184.948,51.175 FL1.4@185.475,51.175 ; IC38.7@185.725,11.075 v1(186.743,11.074) ; J34.5@186.025,95.7 186.4,95.325 v3(186.4,93.925) ; v1(186.581,25.557) 186.585,25.553 187.172,25.553 C206.1@187.175,25.55 187.128,25.503 187.128,24.953 v1(187.1,24.925) ; FL1.4@187.5,55.525 v4(188.275,55.525) ; FL1.4@187.525,56.775 188.25,56.775 v4(188.275,56.8) ; v4(187.561,45.957) 188.268,45.957 FL1.4@188.275,45.95 ; v4(187.565,48.608) 188.277,48.608 189.4,47.485 FL1.4@189.4,47.3 ; FL1.4@187.625,49.825 v4(188.152,49.825) ; 187.672,51.172 v4(188.199,51.172) ; v4(187.748,47.275) FL1.4@188.275,47.275 ; v3(188.025,93.948) J34.3@188.025,95.7 ; v1(189.175,33.675) 189.188,33.688 189.793,33.688 R60.1@189.805,33.7 ; v1(189.568,35.467) 189.572,35.471 190.164,35.471 C144.1@190.168,35.475 190.172,35.472 190.172,34.928 v1(190.175,34.925) ; v3(190.025,93.948) 190.025,94.172 J34.1@190.025,95.7 ; FL1.4@190.5,48.975 190.516,48.959 v4(191.255,48.959) ; FL1.4@190.55,45.975 191.188,45.975 v4(191.222,45.941) ; FL1.4@190.625,47.375 v4(191.152,47.375) ; D10.2@194.5,5 v1(195.25,5) ; D7.2@194.5,7.7 v1(195.25,7.7) ; D6.2@194.5,10.4 v1(195.25,10.4) ; v4(194.95,52.175) FL1.4@195.725,52.175 ; v4(195,49.775) 195.725,49.775 FL1.4@195.75,49.75 ; v1(195.85,28.686) 195.85,28.248 196.623,27.475 C158.2@196.65,27.475 196.677,27.475 197.45,28.248 v1(197.45,28.686) ; v1(196.824,20.295) R210.1@196.824,20.879 ; FL1.4@197.725,52.2 197.75,52.175 v4(198.425,52.175) ; FL1.4@197.8,49.75 v4(198.4,49.75) ; v1(197.872,20.266) 197.882,20.277 197.882,20.869 R211.1@197.893,20.88 ; v1(199.375,28.061) 199.414,28.061 199.725,27.75 IC47.5@199.725,27.5 ; IC47.8@200.725,24.5 v2(200.725,25.411) ; v4@202.418,45.314 203.111,45.314 C92.1@203.525,44.9 203.15,44.525 v4(202.5,44.525) ; R272.1@203.55,32.545 v1(203.549,33.137) ; v1(204.25,31.475) IC52.6@204.775,31.475 ; v1(204.25,32.15) 204.263,32.137 204.762,32.137 IC52.5@204.775,32.125 ; IC52.9@205.868,31.857 v2(205.875,31.85) ; v1(206.675,24.65) 208.025,24.65 C90.2@208.075,24.6 208.15,24.675 v1(209.5,24.675) ; v1(207.2,39.3) v1@207.233,39.3 ; IC36.C4@207.604,38.929 IC36.C4@207.637,38.929 ; v1@208.787,39.279 v1(208.787,39.304) ; v1(208.975,19.625) R153.1@209.675,19.625 ; R2.1@210.325,22.82 210.334,22.829 210.334,23.353 v1(210.342,23.361) ; v1(210.6,85) 210.625,85.025 BATH1.2@213.675,85.025 213.75,84.95 v1(216.675,84.95) ; v1(211.285,70.829) 211.289,70.825 R189.2@211.83,70.825 ; v1(211.525,72.425) 211.55,72.4 IC17.6@211.925,72.4 211.925,71.72 v1(211.922,71.717) ; IC1.5@211.625,25.125 211.625,24.3 v2(211.75,24.175) ; v1(211.905,20.723) 211.919,20.736 212.461,20.736 C3.1@212.475,20.75 ; IC1.8@212.625,22.125 212.625,23.025 v2(212.65,23.05) ; v2(213.5,23.05) 213.6,23.15 215.048,23.15 C78.2@215.383,22.815 ; v2(213.5,24.15) 215.093,24.15 C55.2@215.383,24.44 C78.2@215.383,22.815 ; C68.2@214.925,76.325 214.932,76.318 215.515,76.318 v1(215.522,76.311) ; C161.1@215.125,77.175 215.681,77.175 v1(215.685,77.179) ; IC2.16@215.52,31.1 216.588,31.1 217.032,31.543 216.975,31.6 IC2.17@215.72,31.6 ; IC2.18@215.72,32.1 216.975,32.1 216.996,32.1 C61.1@217.367,31.729 ; C86.2@217.293,22.81 215.388,22.81 C78.2@215.383,22.815 ; IC45B.33@67.725,27.635 IC45B.33@69.473,25.887 ; J28.G4@121.284,81.269 J28.G4@121.3,81.285 ; C60.1@208.875,44.9 209.275,44.5 v4(209.925,44.5) 210.575,44.5 C62.1@210.975,44.9 210.575,45.3 v4(209.925,45.3) 209.275,45.3 C60.1@208.875,44.9